# Altium PCB 2014_BeaconEye.PCBDOC (continued)
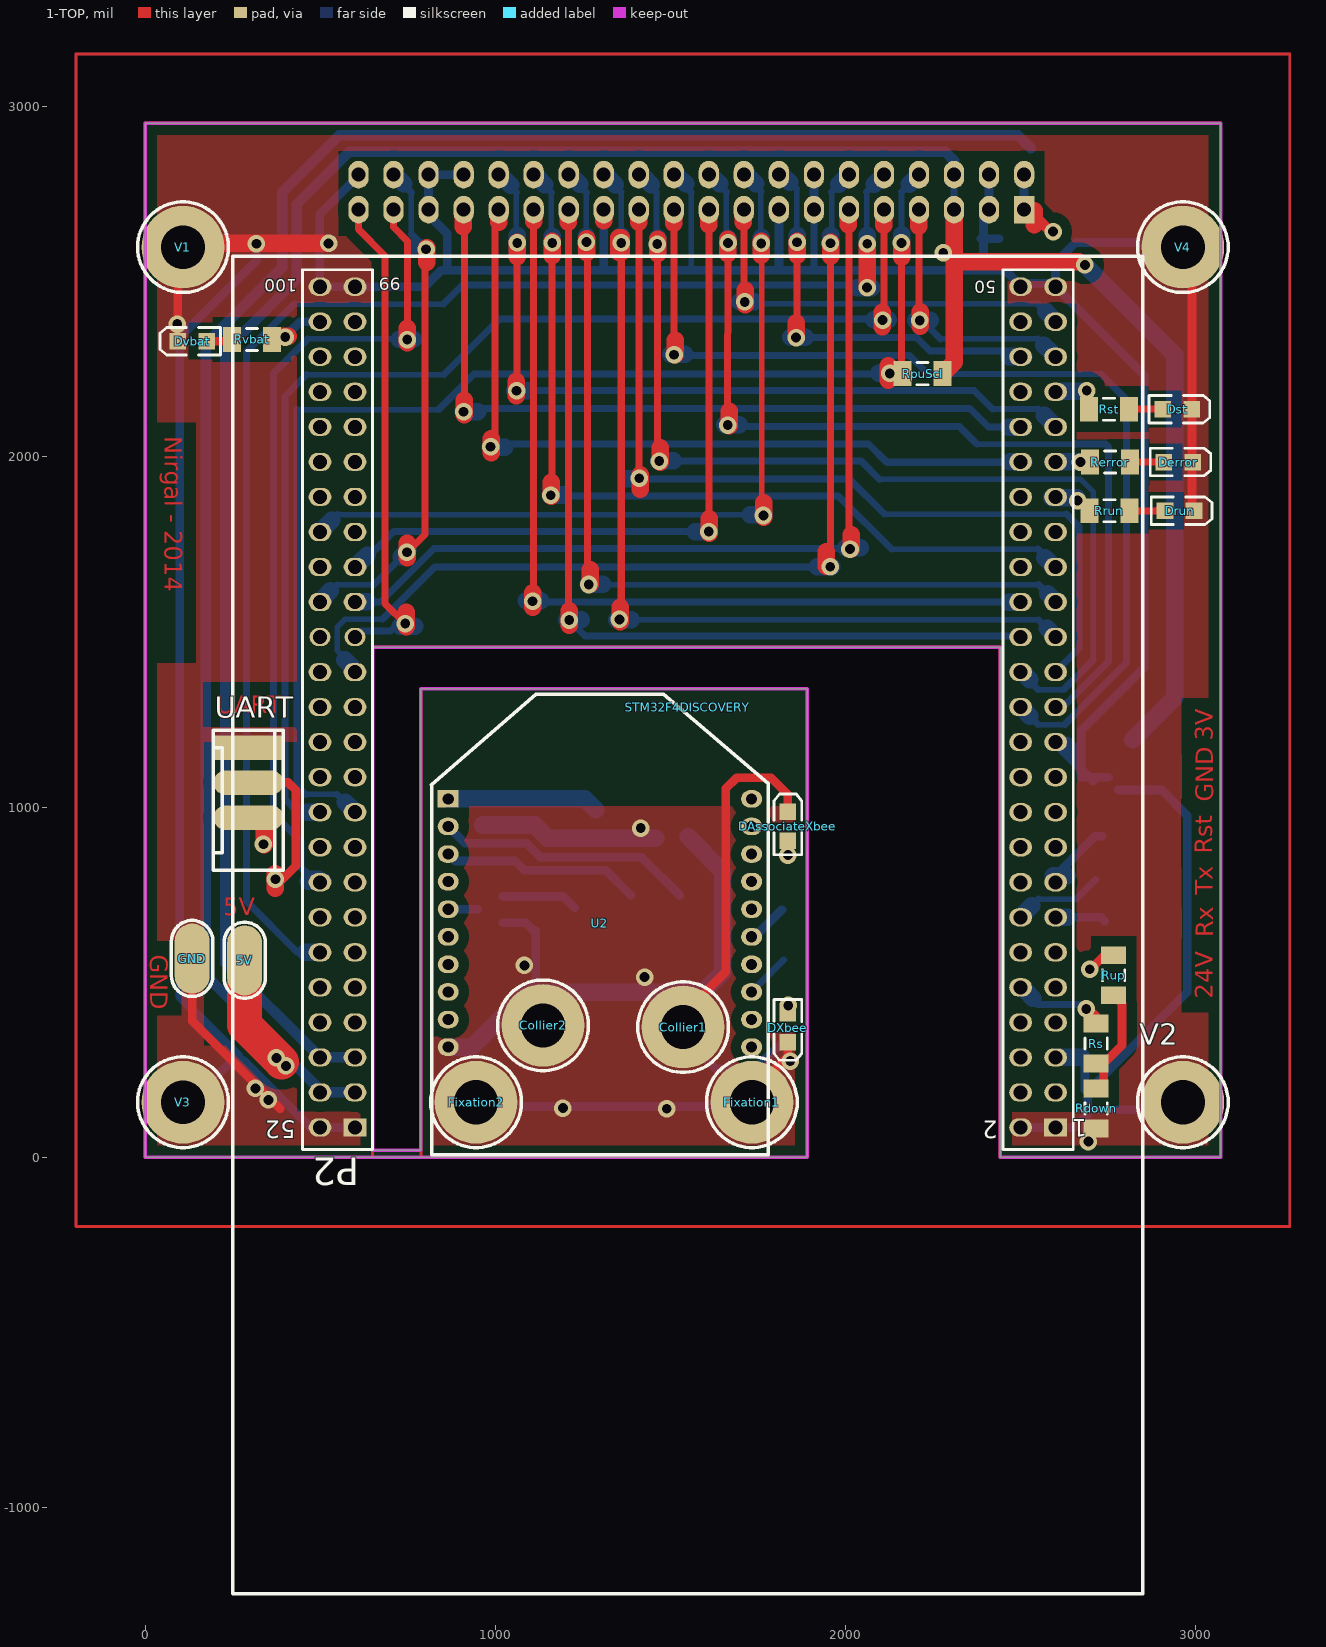
[diagram p0: 1-TOP view]
## Footprints (in the part's own frame and the unit in brackets; to place one, negate y for a bottom-side part, rotate by r counter-clockwise, add the part's x,y. Pads: shape width x height; smd on the part's side, far side on the other; paste and mask are expansions set on the pad) (continued)
MODULE_XBEE [mil] "XBee Series 2 OEM RF Modules"
  rect 60x50 hole 32: 1(0,0)
  oval 60x50 hole 32: 2(0,-78.74) 3(0,-157.48) 4(0,-236.22) 5(0,-314.96) 6(0,-393.7) 7(0,-472.44) 8(0,-551.18) 9(0,-629.92) 10(0,-708.66) 11(866.14,-708.66) 12(866.14,-629.92) 13(866.14,-551.18) 14(866.14,-472.44) 15(866.14,-393.7) 16(866.14,-314.96) 17(866.14,-236.22) 18(866.14,-157.48) 19(866.14,-78.74) 20(866.14,0)
  silkscreen extent -48,-1016 914,299, body extent -43,-992 917,305, height 205
PAD_CMS_5.08x2.54 [mil] "Pad pour souder un fil"
  oval 200x100 smd paste+0.2: 1(0,0)
  silkscreen extent -108,-59 109,59, body extent -85,-30 84,30, height 10
R1206_N [mm] "Chip Resistor, Body 3.2x1.6mm, IPC Medium Density"
  rect 1.3x1.8 smd: 1(-1.45,0) 2(1.45,0)
  silkscreen extent -0.4,-0.8 0.4,0.8, body extent -1.68,-0.87 1.68,0.87, height 0.71
SOT23-3N [mm] "SOT23, 3-Leads, Body 2.9x1.3mm, Pitch 0.95mm, Lead Span 2.5mm, IPC Medium Density"
  rect 1.5x0.6 smd: 1(-0.95,0.95) 2(-0.95,-0.95) 3(0.95,0)
  silkscreen extent -1.07,-1.5 0.7,1.92, body extent -1.24,-1.5 1.23,1.5, height 1.1
STM32_F4DISCOVERY [mil] "KIT DE DEVELOPPEMENT"
  rect 65x52 hole 40: 1(0,0) 51(2000,0)
  oval 65x52 hole 40: 2(100,0) 3(0,-100) 4(100,-100) 5(0,-200) 6(100,-200) 7(0,-300) 8(100,-300) 9(0,-400) 10(100,-400) 11(0,-500) 12(100,-500) 13(0,-600) 14(100,-600) 15(0,-700) 16(100,-700) 17(0,-800) 18(100,-800) 19(0,-900) 20(100,-900) 21(0,-1000) 22(100,-1000) 23(0,-1100) 24(100,-1100) 25(0,-1200) 26(100,-1200) 27(0,-1300) 28(100,-1300) 29(0,-1400) 30(100,-1400) 31(0,-1500) 32(100,-1500) 33(0,-1600) 34(100,-1600) 35(0,-1700) 36(100,-1700) 37(0,-1800) 38(100,-1800) 39(0,-1900) 40(100,-1900) 41(0,-2000) 42(100,-2000) 43(0,-2100) 44(100,-2100) 45(0,-2200) 46(100,-2200) 47(0,-2300) 48(100,-2300) 49(0,-2400) 50(100,-2400) 52(2100,0) 53(2000,-100) 54(2100,-100) 55(2000,-200) 56(2100,-200) 57(2000,-300) 58(2100,-300) 59(2000,-400) 60(2100,-400) 61(2000,-500) 62(2100,-500) 63(2000,-600) 64(2100,-600) 65(2000,-700) 66(2100,-700) 67(2000,-800) 68(2100,-800) 69(2000,-900) 70(2100,-900) 71(2000,-1000) 72(2100,-1000) 73(2000,-1100) 74(2100,-1100) 75(2000,-1200) 76(2100,-1200) 77(2000,-1300) 78(2100,-1300) 81(2000,-1500) 82(2100,-1500) 83(2000,-1600) 84(2100,-1600) 85(2000,-1700) 86(2100,-1700) 87(2000,-1800) 88(2100,-1800) 89(2000,-1900) 90(2100,-1900) 91(2000,-2000) 92(2100,-2000) 93(2000,-2100) 94(2100,-2100) 95(2000,-2200) 96(2100,-2200) 97(2000,-2300) 98(2100,-2300) 99(2000,-2400) 100(2100,-2400)
  oval 60x52 hole 40: 79(2000,-1400) 80(2100,-1400)
  silkscreen extent -249,-2487 2349,1331, body extent -247,-2645 2352,1372, height 983

## Part data
5V 24V Collier1 Collier2 Fixation1 Fixation2 GND Reset Rx To_XBee_3V To_XBee_GND Tx V1 V2 V3 V4 XBee_3V XBee_GND XBee_Reset XBee_Rx XBee_Tx: library part "Vis M3 X 6mm _TORX_Tête 6mm", "Vis M3 X 6mm _TORX_Tête 6mm"
Cd_3V_1 Cd_3V_2 Cd_5V_1 Cd_5V_2 Cd_Xb_1 Cd_Xb_2 Cf: library part Condensateur, "Capacitor"
DAssociateXbee Derror Drun Dst Dvbat DXbee: library part LED, "Typical LED"
J1: library part CONNECTEUR_HE10_40
QXbee: "N-Channel MOSFET"
RAssociateXbee Rdown Rerror RpuScl RpXbee Rrun Rs Rst Rup Rvbat RXbee: library part Resistor, "Resistor"
STM32F4DISCOVERY: "KIT DE DEVELOPPEMENT POUR MICROCONTROLEUR STM32F407VGT6"
UART: "Header, 4-Pin"

## Via types
v1: diameter 50, hole 28, 1-TOP to 4-BOTTOM, 64 vias

## Nets (pads, with @x,y where several pads share a name; then routed paths per layer and width w, separated by ;. In a path a pad name is that pad's centre, name@x,y a point inside that pad or via, vN(x,y) a via of type N, cw(c..) or ccw(c..) an arc to the next point about the centre after c; other vN are vias at no path point)
3V: Cd_3V_1.2 Cd_3V_2.2 J1.5 J1.6 RpuScl.2 STM32F4DISCOVERY.55 STM32F4DISCOVERY.56 To_XBee_3V.1 | length 7167.8
  1-TOP w50: RpuScl.2 2309.37,2270.39 2309.37,2557 ; J1.5@2309.37,2700.48 2309.37,2557 ; v1@2666,2557 2309.37,2557
  4-BOTTOM w20: J1.5 J1.6 J1.6@2309.37,2808.48
  4-BOTTOM w30: STM32F4DISCOVERY.55 STM32F4DISCOVERY.56 229,555.85 229,2303 433.37,2507.37 433.37,2720.48 583.37,2870.48 2284.37,2870.48 2309.37,2845.48 J1.6
  4-BOTTOM w50: v1@2683.43,2547.43 2940,2290.85 2940,1312 To_XBee_3V.1@2820,1192
  other v1: 2683,2548 2278.37,2582.48
5V: 5V.1 Cd_5V_1.2 Cd_5V_2.2 J1.1 J1.2 STM32F4DISCOVERY.53 STM32F4DISCOVERY.54 | length 5725.4
  1-TOP w30: J1.1 2510.37,2717.63 v1@2593,2635
  1-TOP w50: 2538,2662 J1.1@2538,2703
  1-TOP w100: 5V.1 284.37,378.63 v1@390,273
  4-BOTTOM w25: J1.1@2505.37,2700.48 2505.37,2709.48 J1.1 J1.2@2509.37,2797.48
  4-BOTTOM w30: STM32F4DISCOVERY.53 STM32F4DISCOVERY.54 499.37,193.48 173,519.85 173,2322 391.37,2540.37 391.37,2755.48 554.37,2918.48 2491.37,2918.48 Cd_5V_2.2@2528.37,2881.48
  other v1: 402,261 375,284 2592,2643
GND: Cd_3V_1.1 Cd_3V_2.1 Cd_5V_1.1 Cd_5V_2.1 Cf.1 Derror.2 Drun.2 Dst.2 Dvbat.2 GND.1 J1.3 J1.4 J1.13 J1.14 J1.15 J1.22 J1.25 J1.34 J1.35 J1.36 J1.40 Rdown.1 STM32F4DISCOVERY.1 STM32F4DISCOVERY.2 STM32F4DISCOVERY.5 STM32F4DISCOVERY.23 STM32F4DISCOVERY.49 STM32F4DISCOVERY.50 STM32F4DISCOVERY.51 STM32F4DISCOVERY.52 STM32F4DISCOVERY.99 STM32F4DISCOVERY.100 To_XBee_GND.1 UART.1 V1.1 V2.1 V3.1 V4.1 | length 13095
  1-TOP w25: Dvbat.2 V1.1@93.66,2530.34 ; GND.1 134.37,389.63 385,139 ; V4.1@2960,2598 2988.34,2569.66 Dst.2 Drun.2@2988.34,1850.66
  1-TOP w50: 226,2609 v1(524,2609) ; J1.25@1310,2674 J1.25@1310,2715
  4-BOTTOM w16: 1559,2538.48 1559,2755.85
  4-BOTTOM w20: J1.22 1559,2755.85 ; 1909.37,2538.48 J1.13
  4-BOTTOM w25: V3.1@192,220 249.5,277.5 280.5,277.5 472.52,85.48 STM32F4DISCOVERY.52 STM32F4DISCOVERY.51 ; 267.5,290.5 99,459 99,2341 319,2561 v1@319,2607 ; J1.40 609.37,2802.48 499,2692.11 499,2485.48 STM32F4DISCOVERY.99 798.37,2485.48 845.37,2532.48 2455.37,2532.48 2493.37,2494.48 STM32F4DISCOVERY.49@2599.37,2494.48 ; J1.36@806.37,2805.48 J1.36 ; 862.37,2541.48 862.37,2636.48 809.37,2689.48 J1.35 J1.36 ; J1.34 J1.36 ; 1309.37,2535.48 J1.25 ; 1809.37,2540.48 J1.15 ; J1.13 J1.14 ; Cd_3V_1.1 Cd_3V_1.1@2393.37,2622.48 ; 2393.37,2539.48 Cd_3V_1.1@2393.37,2622.48 ; J1.4@2409.37,2806.48 J1.4 J1.3 2393.37,2689.48 Cd_3V_1.1@2393.37,2622.48 ; Cd_5V_1.1@2437.37,2622.48 Cd_3V_1.1@2393.37,2622.48 ; STM32F4DISCOVERY.2 STM32F4DISCOVERY.1 2653.37,85.48 2667.94,100.06 ; STM32F4DISCOVERY.5 2683.37,285.48 2683.37,193.63 2691,186 ; STM32F4DISCOVERY.49@2601.37,2494.48 STM32F4DISCOVERY.49@2599.37,2494.48 ; STM32F4DISCOVERY.23@2605.37,1175.48 To_XBee_GND.1@2706.85,1074 ; v1@2695,47 2695,73 2667.94,100.06 ; To_XBee_GND.1@2750,1085 2672,1085 2672,1218 2852.37,1398.37 2852.37,2232.48 STM32F4DISCOVERY.49 STM32F4DISCOVERY.49@2599.37,2494.48 ; To_XBee_GND.1@2779,1049 2902,1049 2975.37,975.63 2975.37,472.37 2691.37,188.37 2691.37,136 ; 2845,144 2837,136 2691.37,136 ; V4.1@2932,2612 2657,2612 2599.37,2554.37 STM32F4DISCOVERY.49@2599.37,2494.48 ; 2667.94,100.06 2691.37,123.48 2691.37,136
  4-BOTTOM w50: J1.22@1524,2798 1543,2779 ; STM32F4DISCOVERY.5@2597,286 2674,286 ; STM32F4DISCOVERY.23@2630,1176 2649,1157
  other v1: 2693,45 352,164 315,197 92,2379 318,2608
LED_VBAT: Rvbat.1 STM32F4DISCOVERY.98 | length 152.3
  1-TOP w50: Rvbat.1@368,2344 v1@409,2344
  4-BOTTOM w25: v1@404,2347 442.48,2385.48 STM32F4DISCOVERY.98
  other v1: 400,2342
Net24V_1: 24V.1 Rup.2 | length 75.5
  1-TOP w25: v1@2704,542 2739.09,577.09 Rup.2
  other v1: 2697,537
NetDAssociateXbee_1: DAssociateXbee.1 RAssociateXbee.2
  other v1: 1835,863
NetDerror_1: Derror.1 Rerror.2 | length 94.9
  1-TOP w20: Rerror.2 Derror.1@2907,1985
NetDrun_1: Drun.1 Rrun.2 | length 85
  1-TOP w20: Rrun.2 2888,1846 Drun.1@2893,1851
NetDst_1: Dst.1 Rst.2 | length 98.9
  1-TOP w20: Rst.2 Dst.1@2908,2136
NetDvbat_1: Dvbat.1 Rvbat.2 | length 66.7
  1-TOP w25: Dvbat.1 Rvbat.2@243,2330
NetDXbee_1: DXbee.1 RXbee.2
  other v1: 1836,434
NetQXbee_3: QXbee.3 U2.5 | length 84.1
  4-BOTTOM w25: U2.5 QXbee.3@949.48,708.52
NetRAssociateXbee_1: RAssociateXbee.1 U2.15 | length 118.5
  4-BOTTOM w25: U2.15 1740.78,629.78 RAssociateXbee.1@1818,707
NetRdown_2: Rdown.2 Rs.1 Rup.1 | length 301.3
  1-TOP w25: Rdown.2@2718,201 2737,220 2737,268 2789,320 2789,438.91 Rup.1
NetRXbee_1: RXbee.1 U2.13 | length 128.2
  4-BOTTOM w20: U2.13 1781,521.79 1781,522 RXbee.1@1822,563
PA2_XBEE_TX: STM32F4DISCOVERY.14 Tx.1 | length 287.5
  4-BOTTOM w16: 2550.89,737 2658,737
  4-BOTTOM w20: STM32F4DISCOVERY.14 2550.89,737 ; 2658,737 Tx.1@2715,794
  4-BOTTOM w50: STM32F4DISCOVERY.14@2512,700 2531,719
PA3_XBEE_RX: Rx.1 STM32F4DISCOVERY.13 | length 185
  4-BOTTOM w25: STM32F4DISCOVERY.13 2728.52,685.48 Rx.1@2739,675
  4-BOTTOM w50: STM32F4DISCOVERY.13@2593,685 2634,685
PA5_XBEE_RESET: Reset.1 STM32F4DISCOVERY.15 | length 239.2
  4-BOTTOM w25: STM32F4DISCOVERY.15 2599.37,804.37 2712,917 Reset.1@2732,917
  4-BOTTOM w50: STM32F4DISCOVERY.15@2592,804 2633,804
PB6_TX: STM32F4DISCOVERY.73 UART.3 | length 598.3
  1-TOP w25: UART.3 336,929 v1@336,891
  1-TOP w50: v1@340,892 340,933
  3-SIGNAL w25: v1@339,900 339,965 405,1031 521,1031 550,1060 550,1136.11 STM32F4DISCOVERY.73
  other v1: 338,894
PB7_RX: STM32F4DISCOVERY.74 UART.2 | length 905.5
  1-TOP w25: UART.2 409,1070 431,1048 431,833 v1@385,787
  1-TOP w50: 372,769 v1@372,810
  2-GND w25: v1@367,801 428,862 428,1114.11 STM32F4DISCOVERY.74
  other v1: 372,794
PB8: J1.8 RpuScl.1 STM32F4DISCOVERY.69 | length 3810.3
  1-TOP w20: RpuScl.1@2159.37,2229.48 v1(2159.37,2610.48)
  1-TOP w50: v1@2122,2219 v1@2122,2260 ; 2160,2569 v1@2160,2610
  4-BOTTOM w16: 434.37,2134.48 837.37,2134.48 ; 458.52,1036.48 548.37,1036.48 ; v1@2159.37,2615.48 2159.37,2755.48
  4-BOTTOM w20: 434.37,2134.48 434.37,1060.63 458.52,1036.48 ; 548.37,1036.48 STM32F4DISCOVERY.69 ; 837.37,2134.48 939.37,2236.48 v1@2123,2236.48 ; 2159.37,2755.48 J1.8
  4-BOTTOM w50: 572,1014 STM32F4DISCOVERY.69@591,995 ; 2094,2238 v1@2135,2238 ; v1@2160,2593 v1@2160,2634 ; 2181,2778 J1.8@2200,2797
  other v1: 2126,2238
PB9: J1.9 STM32F4DISCOVERY.70 | length 3550.8
  1-TOP w20: v1@2109.37,2392.48 J1.9
  1-TOP w50: v1@2105,2371 v1@2105,2412 ; 2109,2661 J1.9@2109,2702
  4-BOTTOM w16: 461.37,2234.48 853.37,2234.48
  4-BOTTOM w20: 461.37,2234.48 399.37,2172.48 399.37,1022.63 436.52,985.48 STM32F4DISCOVERY.70 ; 853.37,2234.48 1012.37,2393.48 v1@2116.37,2393.48
  4-BOTTOM w50: 462,986 STM32F4DISCOVERY.70@503,986 ; 2080,2391 v1@2121,2391
  other v1: 2105.37,2390.48
PB13_RUN: Rrun.1 STM32F4DISCOVERY.37 | length 144.1
  4-BOTTOM w20: STM32F4DISCOVERY.37 2643.52,1885.48 v1@2664,1865
  4-BOTTOM w50: STM32F4DISCOVERY.37@2589,1883 v1@2660,1883
  other v1: 2662,1875
PB15_ERROR: Rerror.1 STM32F4DISCOVERY.39 | length 139.1
  4-BOTTOM w20: STM32F4DISCOVERY.39 v1@2661.48,1985.48
  4-BOTTOM w50: STM32F4DISCOVERY.39@2593,1986 v1@2670,1986
  other v1: 2670,1985
PC2_MESURE24V: Cf.2 Rs.2 STM32F4DISCOVERY.10 | length 281
  1-TOP w25: v1@2697,421 2715,403 Rs.2
  4-BOTTOM w20: STM32F4DISCOVERY.10 2547.85,437 v1@2687,437
  4-BOTTOM w50: STM32F4DISCOVERY.10@2515,474 2534,455
  other v1: 2687,424
PC13: J1.10 STM32F4DISCOVERY.62 | length 4305.5
  1-TOP w20: v1@2061.37,2482.48 v1(2061.37,2608.48)
  1-TOP w50: v1@2061,2484 v1@2061,2603
  4-BOTTOM w16: 426,2436 851.89,2436 ; v1@2060,2614.85 2060,2756.11
  4-BOTTOM w20: 426,2436 289,2299 289,731.85 435.37,585.48 STM32F4DISCOVERY.62 ; 851.89,2436 905.89,2490 2055.85,2490 v1@2066.37,2479.48 ; v1@2060,2614.85 v1@2060.37,2614.48 ; 2060,2756.11 J1.10
  4-BOTTOM w50: 459,585 STM32F4DISCOVERY.62@500,585 ; 2033,2483 v1@2074,2483 ; v1@2061,2592 v1@2061,2633 ; 2081,2778 J1.10@2100,2797
  other v1: 2061,2483
PD0: J1.18 STM32F4DISCOVERY.86 | length 2485
  1-TOP w16: v1@1760,1843.85 v1@1760,2608
  1-TOP w20: v1@1760,1843.85 v1@1762.37,1841.48
  1-TOP w50: 1759,2575 v1@1759,2616 ; v1@1766,1828 1766,1869
  4-BOTTOM w16: 548.89,1835 v1@1767.85,1835 ; v1@1758,2617 1758,2756.85
  4-BOTTOM w20: STM32F4DISCOVERY.86 548.89,1835 ; J1.18 1758,2756.85 ; v1@1767.85,1835 v1@1769.37,1833.48
  4-BOTTOM w50: STM32F4DISCOVERY.86@514,1800 533,1819 ; J1.18@1724,2799 1743,2780 ; 1727,1834 v1@1768,1834 ; v1@1759,2586 v1@1759,2627
  other v1: 1765.37,1832.48 1759,2609
PD1: J1.19 STM32F4DISCOVERY.83 | length 2122.1
  1-TOP w20: v1@1609.37,1787.48 J1.19
  1-TOP w50: 1609,2663 J1.19@1609,2704 ; v1@1611,1782 1611,1823
  4-BOTTOM w20: STM32F4DISCOVERY.83 608.37,1685.48 710.37,1787.48 v1@1611.37,1787.48
  4-BOTTOM w50: STM32F4DISCOVERY.83@615,1700 634,1719 ; 1570,1786 v1@1611,1786
  other v1: 1609.37,1786.48
PD3: J1.11 STM32F4DISCOVERY.81 | length 2607
  1-TOP w20: v1@2009.37,1736.48 J1.11
  1-TOP w50: 2008,2663 J1.11@2008,2704 ; v1@2016,1737 2016,1778
  4-BOTTOM w20: STM32F4DISCOVERY.81 672.48,1585.48 825,1738 2003.89,1738 v1@2008.37,1742.48
  4-BOTTOM w50: STM32F4DISCOVERY.81@594,1586 635,1586 ; v1@2000,1740 2041,1740
  other v1: 2012.37,1736.48
PD4: J1.38 STM32F4DISCOVERY.82 | length 1627.6
  1-TOP w20: v1@749.37,1728.48 799.37,1778.48 v1@799.37,2578.48
  1-TOP w50: v1@749,1712 749,1753 ; 804,2556 v1@804,2597
  4-BOTTOM w16: 548.37,1634.48 652.37,1634.48 ; 760,2636 760,2754.85
  4-BOTTOM w20: STM32F4DISCOVERY.82 548.37,1634.48 ; 652.37,1634.48 v1@746.37,1728.48 ; J1.38 760,2754.85 ; 760,2636 v1@800,2596
  4-BOTTOM w50: STM32F4DISCOVERY.82@510,1598 529,1617 ; J1.38@719,2799 738,2780 ; v1@731,1715 v1@750,1734 ; 765,2596 v1@806,2596
  other v1: 747.37,1727.48 802.37,2592.48
PD5: J1.39 STM32F4DISCOVERY.79 | length 1479.6
  1-TOP w20: J1.39 609.37,2649.63 685.37,2573.63 685.37,1580.63 v1@746,1520
  1-TOP w50: v1@745,1515 745,1556
  4-BOTTOM w20: STM32F4DISCOVERY.79 616.89,1503 701,1503 v1@734,1536
  4-BOTTOM w50: v1@729,1516 770,1516
  other v1: 743,1524
PD7: J1.12 STM32F4DISCOVERY.77 | length 2972.6
  1-TOP w20: v1@1956.37,1701.48 v1(1956.37,2609.48)
  1-TOP w50: v1@1945,1688 1945,1729 ; 1958,2572 v1@1958,2613
  4-BOTTOM w16: STM32F4DISCOVERY.77@599.37,1396.48 548.37,1447.48 548.37,1513.37 571.48,1536.48 678.48,1536.48 ; v1@1960,2614.11 1960,2756.11
  4-BOTTOM w20: STM32F4DISCOVERY.77 STM32F4DISCOVERY.77@599.37,1396.48 ; 678.48,1536.48 827,1685 1941.89,1685 v1@1954.37,1697.48 ; v1@1957.37,2611.48 v1@1960,2614.11 ; 1960,2756.11 J1.12
  4-BOTTOM w50: 570,1421 STM32F4DISCOVERY.77@589,1402 ; 1919,1686 v1@1960,1686 ; v1@1957,2592 v1@1957,2633 ; 1980,2778 J1.12@1999,2797
  other v1: 1956,1686
PD8: J1.31 STM32F4DISCOVERY.40 | length 2369.5
  1-TOP w20: J1.31@998.37,2709.48 v1@999.3,2041.48
  1-TOP w50: v1@988,2011 v1@988,2052 ; J1.31@1009,2669 J1.31@1009,2710
  4-BOTTOM w20: v1@977.37,2036.48 2065.37,2036.48 2117.37,1984.48 STM32F4DISCOVERY.40@2493.37,1984.48
  4-BOTTOM w50: v1@986,2027 1027,2027 ; STM32F4DISCOVERY.40@2468,1986 STM32F4DISCOVERY.40@2509,1986
  other v1: 986.37,2028.48
PD9: J1.32 STM32F4DISCOVERY.41 | length 2446.4
  1-TOP w20: v1@1062.37,2187 v1(1062.37,2610.48)
  1-TOP w50: v1@1060,2174 1060,2215 ; 1062,2571 v1@1062,2612
  4-BOTTOM w16: v1@1060,2606.85 1060,2754.85 ; 2419.37,2136.48 2548.37,2136.48
  4-BOTTOM w20: J1.32 1060,2754.85 ; v1@1057.37,2189.48 2366.37,2189.48 2419.37,2136.48 ; v1@1060,2606.85 v1@1060.37,2606.48 ; 2548.37,2136.48 STM32F4DISCOVERY.41
  4-BOTTOM w50: J1.32@1025,2794 1044,2775 ; v1@1056,2189 1097,2189 ; v1@1063,2592 v1@1063,2633 ; 2567,2119 STM32F4DISCOVERY.41@2586,2100
  other v1: 1060.37,2188.48
PD10: J1.33 STM32F4DISCOVERY.42 | length 2326.5
  1-TOP w20: v1@912.37,2133.48 J1.33@912.37,2696.48
  1-TOP w50: 908,2657 J1.33@908,2698 ; v1@911,2120 911,2161
  4-BOTTOM w20: v1@909.37,2137.48 2355.37,2137.48 2407.37,2085.48 STM32F4DISCOVERY.42@2487.37,2085.48
  4-BOTTOM w50: v1@909,2128 950,2128 ; 2466,2085 STM32F4DISCOVERY.42@2507,2085
  other v1: 909.37,2128.48
PD11_SELFTEST: Rst.1 STM32F4DISCOVERY.43 | length 166.5
  4-BOTTOM w20: STM32F4DISCOVERY.43 2682.48,2185.48 v1@2687,2190
  4-BOTTOM w50: STM32F4DISCOVERY.43@2611,2187 v1@2688,2187
  other v1: 2688,2189
PD13: J1.7 STM32F4DISCOVERY.45 | length 895.2
  1-TOP w20: v1@2209.37,2398 J1.7
  1-TOP w50: 2208,2658 J1.7@2208,2699 ; v1@2213,2373 v1@2213,2414
  4-BOTTOM w16: 2270.37,2336.48 2548.37,2336.48
  4-BOTTOM w20: v1@2208.37,2398.48 2270.37,2336.48 ; 2548.37,2336.48 STM32F4DISCOVERY.45
  4-BOTTOM w50: v1@2200,2390 2241,2390 ; 2566,2319 STM32F4DISCOVERY.45@2585,2300
  other v1: 2211.37,2389.48
PD14: J1.16 STM32F4DISCOVERY.46 | length 1366.4
  1-TOP w20: v1@1861.37,2346.48 v1(1861.37,2612.48)
  1-TOP w50: v1@1859,2341 1859,2382 ; 1862,2575 v1@1862,2616
  4-BOTTOM w16: v1@1860,2609.11 1860,2765.85
  4-BOTTOM w20: J1.16@1816.37,2809.48 1860,2765.85 ; v1@1858.37,2607.48 v1@1860,2609.11 ; v1@1859.37,2340.48 2202.37,2340.48 2240.37,2302.48 STM32F4DISCOVERY.46@2491.37,2302.48
  4-BOTTOM w50: J1.16@1821,2803 1840,2784 ; v1@1843,2341 1884,2341 ; v1@1862,2591 v1@1862,2632 ; STM32F4DISCOVERY.46@2467,2286 STM32F4DISCOVERY.46@2508,2286
  other v1: 1858.37,2340.48
PD15: J1.17 STM32F4DISCOVERY.47 | length 1330
  1-TOP w20: v1@1709.37,2428.48 J1.17
  1-TOP w50: J1.17@1708,2669 J1.17@1708,2710 ; v1@1713,2434 1713,2475
  4-BOTTOM w16: v1@1717.37,2436.48 2548.37,2436.48
  4-BOTTOM w20: 2548.37,2436.48 STM32F4DISCOVERY.47
  4-BOTTOM w50: v1@1698,2442 1739,2442 ; 2571,2415 STM32F4DISCOVERY.47@2590,2396
  other v1: 1712,2442
PE3: J1.37 STM32F4DISCOVERY.66 | length 2465.8
  1-TOP w20: J1.37 709.37,2655.48 749.37,2615.48 v1@749.37,2329.48
  1-TOP w50: v1@748,2326 748,2367
  4-BOTTOM w16: 464.37,2336.48 v1@747.37,2336.48
  4-BOTTOM w20: 464.37,2336.48 366.37,2238.48 366.37,980.63 445,902 445,828 464.37,808.63 499.37,808.63 STM32F4DISCOVERY.66
  4-BOTTOM w50: 466,788 STM32F4DISCOVERY.66@507,788 ; v1@725,2335 v1@766,2335
  other v1: 748.37,2334.48
PE7: J1.20 STM32F4DISCOVERY.25 | length 2858.4
  1-TOP w20: v1@1663.19,2093.49 v1(1664.37,2610.48)
  1-TOP w50: 1664,2580 v1@1664,2621 ; v1@1667,2089 1667,2130
  4-BOTTOM w16: v1@1659.37,2605.48 1659.37,2755.48 ; 2374.85,2036 2653.89,2036
  4-BOTTOM w20: J1.20 1659.37,2755.48 ; v1@1663.37,2086.48 2324.37,2086.48 2374.85,2036 ; STM32F4DISCOVERY.25 2620.48,1285.48 2750.37,1415.37 2750.37,2028.63 2742,2037 2654.89,2037 2653.89,2036
  4-BOTTOM w50: J1.20@1621,2798 1640,2779 ; v1@1655,2091 1696,2091 ; 1663,2583 v1@1663,2624
  other v1: 1663.37,2090.48
PE8: J1.21 STM32F4DISCOVERY.26 | length 3042.5
  1-TOP w20: v1@1509.37,2297.63 J1.21
  1-TOP w50: J1.21@1509,2667 J1.21@1509,2708 ; v1@1514,2292 1514,2333
  4-BOTTOM w16: 2235.37,2236.48 2728.52,2236.48 ; 2549.37,1235.48 2625.48,1235.48
  4-BOTTOM w20: v1@1517.37,2289.48 2182.37,2289.48 2235.37,2236.48 ; STM32F4DISCOVERY.26 2549.37,1235.48 ; 2625.48,1235.48 2802.37,1412.37 2802.37,2162.63 2728.52,2236.48
  4-BOTTOM w50: v1@1500,2293 1541,2293 ; STM32F4DISCOVERY.26@2507,1279 2526,1260
  other v1: 1510.37,2291.48
PE9: J1.23 STM32F4DISCOVERY.27 | length 2642.1
  1-TOP w20: v1@1409.37,1939.48 J1.23
  1-TOP w50: J1.23@1409,2670 J1.23@1409,2711 ; 1413,1908 v1@1413,1949
  4-BOTTOM w16: 2110.37,1836.48 2630.37,1836.48
  4-BOTTOM w20: v1@1412.37,1936.48 2010.37,1936.48 2110.37,1836.48 ; STM32F4DISCOVERY.27 2666.37,1452.48 2666.37,1800.48 2630.37,1836.48
  4-BOTTOM w50: 1376,1938 v1@1417,1938
  other v1: 1411,1939
PE10: J1.24 STM32F4DISCOVERY.28 | length 3085.5
  1-TOP w20: v1@1462.37,1982.48 v1(1462.37,2607.48)
  1-TOP w50: 1463,2580 v1@1463,2621 ; v1@1471,1985 1471,2026
  4-BOTTOM w16: v1@1460,2607.85 1460,2754.85 ; 2096.37,1935.48 2671.37,1935.48 2706.37,1900.48 2706.37,1419.37 ; 2549.37,1335.48 2622.48,1335.48
  4-BOTTOM w20: J1.24 1460,2754.85 ; v1@1460,2607.85 v1@1460.37,2607.48 ; v1@1462.37,1987.48 2044.37,1987.48 2096.37,1935.48 ; STM32F4DISCOVERY.28 2549.37,1335.48 ; 2622.48,1335.48 2706.37,1419.37
  4-BOTTOM w50: J1.24@1426,2796 1445,2777 ; v1@1463,2584 v1@1463,2625 ; v1@1467,1989 1508,1989 ; STM32F4DISCOVERY.28@2507,1383 2526,1364
  other v1: 1468,1988
PE11: J1.26 STM32F4DISCOVERY.29 | length 2837.7
  1-TOP w20: v1@1359.37,1534.48 v1(1359.37,2610.48)
  1-TOP w50: 1352,2584 v1@1352,2625 ; v1@1357,1529 1357,1570 ; 1360,2584 v1@1360,2625
  4-BOTTOM w16: v1@1342.37,1534.48 2550.37,1534.48 ; v1@1359,2604.11 1359,2755.85
  4-BOTTOM w20: J1.26 1359,2755.85 ; v1@1356.37,2601.48 v1@1359,2604.11 ; 2550.37,1534.48 STM32F4DISCOVERY.29
  4-BOTTOM w50: J1.26@1323,2796 1342,2777 ; v1@1347,1535 1388,1535 ; v1@1360,2590 v1@1360,2631 ; 2575,1510 STM32F4DISCOVERY.29@2594,1491
  other v1: 1354,1536
PE12: J1.27 STM32F4DISCOVERY.30 | length 2609.8
  1-TOP w20: v1@1209.37,1530 J1.27
  1-TOP w50: J1.27@1208,2669 J1.27@1208,2710 ; v1@1211,1519 1211,1560
  4-BOTTOM w20: v1@1209,1536 1256,1489 2495.85,1489 STM32F4DISCOVERY.30
  4-BOTTOM w50: v1@1204,1535 1245,1535
  other v1: 1211,1534
PE13: J1.28 STM32F4DISCOVERY.31 | length 2749.6
  1-TOP w20: v1@1262.37,1652.48 1262.37,2609.48 v1@1265.37,2610.48
  1-TOP w50: 1261,2582 v1@1261,2623 ; v1@1271,1636 1271,1677
  4-BOTTOM w16: v1@1260,2609.85 1260,2754.85 ; v1@1268.85,1635 2549.85,1635
  4-BOTTOM w20: J1.28 1260,2754.85 ; v1@1260,2609.85 v1@1260.37,2609.48 ; v1@1266.37,1637.48 v1@1268.85,1635 ; 2549.85,1635 STM32F4DISCOVERY.31
  4-BOTTOM w50: J1.28@1222,2797 1241,2778 ; v1@1260,2589 v1@1260,2630 ; v1@1265,1636 1306,1636 ; 2577,1609 STM32F4DISCOVERY.31@2596,1590
  other v1: 1266.37,1635.48 1260,2613
PE14: J1.29 STM32F4DISCOVERY.32 | length 2672
  1-TOP w20: v1@1109.37,1588.48 J1.29
  1-TOP w50: v1@1107,1571 v1@1107,1612 ; J1.29@1109,2672 J1.29@1109,2713
  4-BOTTOM w20: v1@1108.37,1585.48 STM32F4DISCOVERY.32
  4-BOTTOM w50: v1@1088,1589 v1@1129,1589 ; 2465,1585 STM32F4DISCOVERY.32@2506,1585
  other v1: 1106.37,1587.48
PE15: J1.30 STM32F4DISCOVERY.33 | length 2670.5
  1-TOP w20: v1@1162.37,1899.48 v1(1162.37,2610.48)
  1-TOP w50: v1@1160,1887 1160,1928 ; 1163,2574 v1@1163,2615
  4-BOTTOM w16: v1@1160,2606.85 1160,2754.85 ; 2130.37,1736.48 2548.37,1736.48
  4-BOTTOM w20: J1.30 1160,2754.85 ; v1@1160,2606.85 v1@1160.37,2606.48 ; v1@1161.37,1887.48 1979.37,1887.48 2130.37,1736.48 ; 2548.37,1736.48 STM32F4DISCOVERY.33
  4-BOTTOM w50: J1.30@1122,2796 1141,2777 ; v1@1156,1891 1197,1891 ; v1@1163,2588 v1@1163,2629 ; 2569,1712 STM32F4DISCOVERY.33@2588,1693
  other v1: 1158.37,1890.48
XBEE_3V: Cd_Xb_1.2 Cd_Xb_2.2 U2.1 XBee_3V.1 | length 433.7
  4-BOTTOM w50: U2.1 1034.37,1023.48 1254.52,1023.48 XBee_3V.1@1286,992
XBEE_RESET: QXbee.1 RpXbee.1 XBee_Reset.1 | length 217.4
  4-BOTTOM w25: QXbee.1 1194.12,744.88 XBee_Reset.1@1226,713
XBEE_RX: U2.2 XBee_Rx.1 | length 742.1
  4-BOTTOM w25: U2.2 913.11,897 1089,897 1129,857 1417,857 XBee_Rx.1@1526,748
XBEE_TX: U2.3 XBee_Tx.1 | length 569.1
  4-BOTTOM w25: U2.3 885.37,846 1057,846 1083,820 1315,820 XBee_Tx.1@1386,749
XBEEGND: Cd_Xb_1.1 Cd_Xb_2.1 Collier1.1 Collier2.1 DAssociateXbee.2 DXbee.2 Fixation1.1 Fixation2.1 QXbee.2 RpXbee.2 U2.10 XBee_GND.1 | length 4265.1
  1-TOP w25: Collier1.1@1546,418 1658,530 1658,1053 1689,1084 1787,1084 1835,1036 DAssociateXbee.2 ; Fixation1.1@1734,187 1835,288 DXbee.2
  4-BOTTOM w25: Fixation2.1@960,145 Fixation1.1@1701,145 ; QXbee.2 1085.92,670.08 RpXbee.2@1112,644 ; Collier2.1@1115.37,472.63 RpXbee.2 ; Collier1.1@1576,306 1629,253 1743.23,253 1835.37,345.14
  4-BOTTOM w50: U2.10@869,315 933,315 1089,471 1592,471 1649,528 1649,816 XBee_GND.1 ; Cd_Xb_2.1 Cd_Xb_1.1 1112.05,948.95 1150,911 XBee_GND.1@1458,911
  other v1: 1489,139 1193,141 1842,275 1426,515 1083,548 1415,940
pads on no net: STM32F4DISCOVERY.3 STM32F4DISCOVERY.4 STM32F4DISCOVERY.6 STM32F4DISCOVERY.7 STM32F4DISCOVERY.8 STM32F4DISCOVERY.9 STM32F4DISCOVERY.11 STM32F4DISCOVERY.12 STM32F4DISCOVERY.16 STM32F4DISCOVERY.17 STM32F4DISCOVERY.18 STM32F4DISCOVERY.19 STM32F4DISCOVERY.20 STM32F4DISCOVERY.21 STM32F4DISCOVERY.22 STM32F4DISCOVERY.24 STM32F4DISCOVERY.34 STM32F4DISCOVERY.35 STM32F4DISCOVERY.36 STM32F4DISCOVERY.38 STM32F4DISCOVERY.44 STM32F4DISCOVERY.48 STM32F4DISCOVERY.57 STM32F4DISCOVERY.58 STM32F4DISCOVERY.59 STM32F4DISCOVERY.60 STM32F4DISCOVERY.61 STM32F4DISCOVERY.63 STM32F4DISCOVERY.64 STM32F4DISCOVERY.65 STM32F4DISCOVERY.67 STM32F4DISCOVERY.68 STM32F4DISCOVERY.71 STM32F4DISCOVERY.72 STM32F4DISCOVERY.75 STM32F4DISCOVERY.76 STM32F4DISCOVERY.78 STM32F4DISCOVERY.80 STM32F4DISCOVERY.84 STM32F4DISCOVERY.85 STM32F4DISCOVERY.87 STM32F4DISCOVERY.88 STM32F4DISCOVERY.89 STM32F4DISCOVERY.90 STM32F4DISCOVERY.91 STM32F4DISCOVERY.92 STM32F4DISCOVERY.93 STM32F4DISCOVERY.94 STM32F4DISCOVERY.95 STM32F4DISCOVERY.96 STM32F4DISCOVERY.97 U2.4 U2.6 U2.7 U2.8 U2.9 U2.11 U2.12 U2.14 U2.16 U2.17 U2.18 U2.19 U2.20 UART.4
copper on no net: | length 47086.6
  1-TOP w8: -196.85,-196.85 -196.85,3149.61 3267.72,3149.61 3267.72,-196.85 -196.85,-196.85 ; 0,0 0,2952.76 3070.87,2952.76 3070.87,0 2440.94,0 2440.94,1456.69 649.61,1456.69 649.61,0 0,0 ; 787.4,0 787.4,1338.58 1889.76,1338.58 1889.76,0 787.4,0
  4-BOTTOM w8: -196.85,-196.85 -196.85,3149.61 3267.72,3149.61 3267.72,-196.85 -196.85,-196.85

## Polygon pours and split planes (outlines as drawn)
XBEEGND on 4-BOTTOM "4-XBEE_GND" (solid, remove dead copper, pour order 1000): 788,1003 1890,1003 1890,13 788,13
GND on 4-BOTTOM "4-GND" (solid, remove dead copper, pour order 1003): 1,2940 3070,2940 3070,0 2442,0 2441,1457 650,1457 649,0 1,0
XBEEGND on 1-TOP "1-XBEE_GND" (solid, remove dead copper, pour order 1002): 788,1003 1890,1003 1890,13 788,13
GND on 1-TOP "1-GND" (solid, remove dead copper, pour order 1001): 1,2940 3070,2940 3070,0 2442,0 2441,1457 650,1457 649,0 1,0

## Keep-outs
Keep-Out Layer:
  lines w10: 0,0 787.4,0 1889.76,0 1889.76,1338.58 787.4,1338.58 787.4,21 649.61,21 649.61,1456.69 2440.94,1456.69 2440.94,0 3070.87,0 3070.87,2952.76 0,2952.76 0,0

## Other copper
1-TOP:
  pour cut-out: 2660,2439 2660,129 2451,129 2451,2439
  pour cut-out: 642,2440 642,130 433,130 433,2440
  pour cut-out: 168,319 168,1186 438,1186 438,319
  pour cut-out: 2569,2629 551,2629 551,2873 2569,2873
  pour cut-out: 2325,2173 2325,2540 2463,2540 2463,2173
  text "Nirgal - 2014" at 56,2059 h50 r270
  text "UART" at 205,1268 h50
  text "3V" at 3048,1189 h50 r90
  text "GND" at 3049,1015 h50 r90
  text "Rst" at 3047,867 h50 r90
  text "Tx" at 3048,750 h50 r90
  text "5V" at 223,691 h50
  text "Rx" at 3049,629 h50 r90
  text "GND" at 15,578 h50 r270
  text "24V" at 3048,453 h50 r90
4-BOTTOM:
  pour cut-out: 621,2836 2519,2836 2519,2553 621,2553
  pour cut-out: 2936,1009.5 2936,452 2650,452 2650,1009.5
  pour cut-out: 2660,2439 2660,129 2451,129 2451,2439
  pour cut-out: 642,2440 642,130 433,130 433,2440
  pour cut-out: 793,981 793,1343 1888,1343 1888,981
  pour cut-out: 1162,982 1621,982 1621,571 1162,571

## Silkscreen, mask and mechanical layers (free items; w line width, h text height)
Bottom Overlay:
  text "1uF" at 1072.37,940.48 h40
  text "10pF" at 914.37,920.48 h40 r90
  text "10k" at 1168.37,759.48 h40 r270
  text "MOSN" at 1069.37,622.48 h40 r180
  text "1k" at 1524.37,524.48 h40
  text "1k" at 1632.37,523.48 h40
  text "Ass" at 1762.37,-106.04 h40 r90
Mechanical 15:
  text "Attention, connecteur a mettre sur le TOP" at 659,3219 h60
  text "Collier" at 1361,279 h60 r90

## Dimensions
108.27,157.48 to 2962.6,157.48 on Mechanical 15
0,2952.76 to 609.37,2805.48 on Mechanical 15
609.37,2805.48 to 0,2952.76 on Mechanical 15
3070.87,2952.76 to 2599.37,2485.48 on Mechanical 15
2599.37,2485.48 to 3070.87,2952.76 on Mechanical 15
1732.28,157.48 to 1889.76,0 on Mechanical 15
1889.76,0 to 1732.28,157.48 on Mechanical 15
1889.76,0 to 787.4,0 on Mechanical 15
1889.76,0 to 1889.76,1338.58 on Mechanical 15
3070.87,0 to 2962.6,2598.43 on Mechanical 15
3070.87,0 to 2962.6,157.48 on Mechanical 15
2962.6,157.48 to 3070.87,0 on Mechanical 15
0,0 to 108.27,157.48 on Mechanical 15
2440.94,0 to 2440.94,1456.69 on Mechanical 15
649.61,0 to 2440.94,0 on Mechanical 15
0,0 to 3070.87,0 on Mechanical 15
0,2952.76 to 39.37,0 on Mechanical 15

## Text inside footprints (layer, text, board x,y; h text height)
STM32F4DISCOVERY: Top Overlay "50" at 2430.08,2502.8 h35.43 r180; Top Overlay "99" at 729.29,2510.68 h35.43 r180; Top Overlay "2" at 2434.02,105.17 h50 r180; Top Overlay "1" at 2689.92,109.1 h50 r180; Top Overlay "P2" at 611.18,-1.13 h78.74 r180; Top Overlay "100" at 434.02,2506.74 h35.43 r180; Top Overlay "52" at 430.08,105.17 h50 r180